# KiCad board Rogelio Pineda part 5.x1-AMLDC-2044B.kicad_pcb (continued)
## Routing (per net, layer and track width the routed paths; a pad name or vN(x,y) marks a point on that pad's centre or on a via; arc(x,y) is an arc through that point) (continued)
~{INTP OUT}: length 73
  Top w0.15: J1.95 79.98,242.47 80.42,242.54 82.39,242.65 ; 85.07,242.73 v1(84.97,242.83) 84.27,242.79 83.71,242.72 82.3,242.65
  Top w0.25: R55.1 105.58,269 108.53,263.25 108.86,246.13 109.13,245.85 ; 109.13,245.85 v2(109.13,245.8) 109.18,245.8 109.13,245.85 ; 115.23,268.24 v3(115.15,268.24) 115.15,268.32 115.02,268.45 UJ0.3
  Bottom w0.15: v2(109.13,245.8) 108.91,246.03 108.22,245.84 107.14,245.75 106.24,245.68 104.8,245.67 95.54,245.05 93.77,244.64 90.65,244.14 88.44,243.49 86.02,242.92 84.97,242.89 v1(84.97,242.83) ; R55.1 105.57,270.68 106.7,269.16 107.93,268.64 111.18,268.14 111.94,268.13 113.3,268.1 v3(115.15,268.24)
~{INTR}: length 152
  Top w0.15: v1(98.99,264.34) 99.74,263.18 100.7,261.85 101.43,259.93 101.72,258.01 101.74,255.52 101.88,253.62 101.74,251.09 101.65,249.53 101.45,245.46 101.35,244.27 101.23,242.82 100.9,240.45 100.5,236.88 100.29,236 100.17,234.8 99.64,231.14 99.15,228.12 98.92,226.96 98.58,225.02 98.29,224.18 98.07,222.22 97.88,221.24 97.43,218.63 97.34,217.66 97.64,214.85 98,211.69 98.31,207.89 98.84,203.24 99.02,198.51 97.9,195.21 97.39,193.8 96.76,192.36 96.21,191.09 95.64,189.95 95.21,188.66 94.64,187.35 94.04,185.37 93.99,184.6 93.98,184.15 94.02,182.6 94.31,181.68 94.79,178.85 95,178.02 95.12,176.31 ; J2.29 76.97,157.92 91.67,157.95 93.32,158.28 93.83,158.74 94.09,159.27 94.24,160.62 94.01,162.1 93.95,164.59 93.81,165.46 94.15,169.2 94.79,171.92 ; 94.74,171.78 95.25,174.41 95.11,176.51
  Bottom w0.15: 122.64,270.61 122.64,269.13 122.62,268.81 121.19,267.8 119.61,267.14 116.42,266.33 115.23,266.23 111.14,265.79 106.63,265.38 103.27,264.92 101.33,264.71 100.38,264.64 v1(98.99,264.34)
~{MSKO}: length 119.6
  Top w0.15: 93.92,325.27 93.92,328.71 94.15,330.28 94.76,332.34 95.34,333.77 95.6,335.06 95.81,335.57 96.07,336.67 96.2,337.13 96.64,339.22 96.71,339.55 96.81,343.14 96.58,345.37 96.29,346.15 95.78,347.5 94.97,349.3 93.94,350.91 92.81,352.09 ; v1(82.11,335.06) 82.37,337.36 82.52,338.01 82.93,340.38 83.41,341.72 84.25,344.3 85.41,346.72 86.96,350.78 87.87,351.98 ; 87.8,351.88 89.17,353.27 89.62,353.39 90.29,353.45 91.65,353.12 92.85,352.06 ; v1(96,288.04) 96.23,288.04 96.59,288.85 97.4,290.51 97.59,291.64 97.59,293.18 97.47,294.91 97.02,296.88 96.81,298 94.75,300.66 94.66,300.76 94.66,303.55 94.61,303.59 94.61,305.22 94.66,305.27 94.66,307.31 94.41,308.64 94.19,310.51 93.81,312.08 93.68,312.76 93.73,312.8 93.73,314.76 93.77,314.97 93.88,321.42 93.79,322.82 93.92,325.59
  Bottom w0.15: v1(82.11,335.06) 81.71,334.66 ; UH0.3 115.07,288.35 114.39,287.67 113.12,287.28 108.17,287.16 101.18,286.9 100.67,286.78 99.28,286.9 97.5,287.03 96.61,287.54 v1(96,288.04)
  Bottom w0.25: v1(82.11,335.06) 81.27,334.22 J1.38
~{RQENB}: length 232.5
  Top w0.15: 101.35,284.86 101.48,288.22 102.01,289.94 102.13,292.12 102.14,293.69 101.89,295.29 101.58,296.24 101.56,299.76 101.49,300.48 101.48,302.04 100.33,306.13 99.77,307.2 97.57,310.2 96.93,311.79 96.57,313.07 96.5,313.7 96.48,315.13 96.52,316.3 96.94,322.16 v1(97.08,322.85) ; 101.36,284.96 101.56,271.51 101.58,271.3 101.84,269.41 102.61,267.5 104.55,264.01 105.67,261.67 105.56,248 105.55,247.92 105.43,244.6 105.37,243.82 105.11,241.12 104.98,240.09 104.48,236.15 104.14,233.42 103.84,231.44 103.62,230.26 102.94,226.22 102.64,224.05 101.75,219.96 101.36,218.45 101.35,217.64 101.39,214.96 101.71,212.95 101.76,212.38 101.82,211.56 102.25,205.65 102.48,203.93 102.74,198.46 102.54,197.06 102.21,194.96 101.71,193.56 100.57,191.22 99.94,189.91 99.35,188.88 98.81,187.57 98.17,186.38 97.74,185.23 97.89,182.56 98.29,181.5 98.87,177.79 99.17,176.67 99.15,175.16 98.89,172.39 98.72,170.93 98.12,168.09 97.78,167.1 97.97,163.29 98.27,159.7 98.43,158.97 98.64,150.01 98.64,149.26 98.74,144.81 98.76,144.85 98.77,142.9 97.78,141.45 96.7,140.68 94.12,139.95 92.49,139.91 90.77,139.71 89.5,139.69 89.12,139.63 86.04,139.6 80.75,138.92 77.49,139.39 J2.41
  Bottom w0.15: v1(97.08,322.85) 97.88,322.64 100.83,322.41 103.21,322.19 104.9,322.05 109.07,322.12 111.93,322.25 117.84,322.22 117.85,322.21 118.53,322.24 119.73,322.53 119.99,322.62 120.19,322.71 120.2,323.2 UF0.5
~{SELB}: length 66.5
  Top w0.15: v1(89.94,274.47) 89.3,274.84 88.9,275.32 88.43,275.85 87.54,277.32 87.65,278.98 87.8,279.49 88.01,280.08 88.36,280.58 88.51,280.84 89.12,281.34 89.4,281.51 92.67,283.24 94.48,284.08 v1(95.94,284.8)
  Bottom w0.15: UJ0.8 125.12,279.8 125.12,279.86 124.09,280.74 121.95,280.9 119.73,280.91 116.77,281.88 115.46,282.02 114.71,282.03 113.18,282 111.17,281.96 110.17,281.98 108.81,282.04 103.47,282.01 101.43,282.47 99.42,283.19 96.98,284.42 v1(95.94,284.8) ; J1.82 79.44,264.37 82.35,266.61 83.28,267.61 84.3,269.1 84.75,269.71 85.73,271.31 86.47,272.28 86.78,272.77 87.86,273.85 88.73,274.34 88.84,274.38 v1(89.94,274.47)
~{SELD}: length 50
  Top w0.15: v1(96.24,282.1) 96.03,282.1 95.03,281.78 94.4,281.55 93.49,281.32 93.18,281.15 91.86,280.56 91.25,280.01 90.58,279.34 89.69,278.3 v1(89.69,278.22)
  Bottom w0.15: v1(89.69,278.22) 89.46,277.7 89.04,276.98 88.83,276.58 88.03,275.25 87.78,274.93 86.93,274.28 85.61,272.99 83.82,271.51 83.58,271.31 83.03,270.87 81.85,269.68 81.24,269.29 80.46,268.21 J1.80 ; 117.56,278.23 117.72,279.62 117.28,280.34 116.86,280.66 116.61,280.84 116.44,280.92 101.74,280.98 100.1,281.34 98.76,281.51 97.53,281.78 v1(96.24,282.1)
unconnected-(C14-Pad1): length 38.9
  Top w0.15: v1(222.54,354.91) 221.5,355.26 220.85,356.47 220.94,358.65 220.88,358.49 220.88,364.77 221.04,367.22 221.56,375.86 222.06,377.23 222.5,379.25 222.74,379.96 222.96,382.45 222.81,383.38 222.53,384.72 222.17,386.19 222.06,388.76 222.59,390.45 222.59,390.91 C14.1
unconnected-(R2-Pad2): length 19.5
  Top w0.15: v1(253.86,371.89) 253.09,372.53 252.69,373.77 252.55,375.89 252.52,376.59 252.78,379.95 252.75,381.54 252.85,382.56 252.98,384.78 253.04,386.08 253.23,386.95 253.46,388.21 253.58,388.7 253.58,390.35 R2.2
unconnected-(R3-Pad2): length 75.7
  Top w0.15: 176.97,361.41 176.96,361.4 ; 176.97,361.41 177.03,361.47 ; 176.97,361.41 177.03,361.47 ; R3.2 176.3,328.41 176.4,330.31 176.46,332.26 175.99,334.53 176.17,337.19 176.24,339.44 176.53,342.51 176.73,344.48 177.12,347.65 177.08,348.39 177.08,350.5 177.02,351.36 176.9,354.33 176.85,355.73 177.03,361.47 ; 178.15,383.06 178.15,391.74 178.13,391.76 178.13,398.38 v1(178.02,398.49) ; 177.03,361.47 177.03,364.46 177.06,364.5 177.06,367.46 176.79,368.41 176.44,369.18 175.99,369.99 175.39,371.21 175.07,372.79 175.29,373.49 175.58,374.49 176.32,376.07 177.23,378.01 177.94,380.15 178.23,381.96 178.15,383.15
unconnected-(R30-Pad1): length 25.9
  Top w0.15: v1(215.08,369.51) 215.72,370.36 216.29,371.53 216.74,372.76 216.89,373.16 217.09,374.27 217.04,375.64 216.81,376.09 216.25,376.99 215.95,377.53 215.41,378.14 215.19,378.44 214.92,378.63 214.58,379.15 214.4,379.44 214.14,379.79 213.9,379.99 213.9,383.29 214.17,383.98 214.53,384.62 215.04,385.15 215.48,385.53 216.31,385.96 v1(217.59,386.35) 217.61,387.16 217.53,388.8 217.54,390.31 R30.1
unconnected-(R58-Pad2): length 2
  Top w0.15: v1(183.32,395.82) 183.38,395.76 R58.2
unconnected-(R85-Pad1): length 47.1
  Top w0.15: 173.2,121.59 v1(173.1,121.65) 173.45,122.31 173.28,123.26 173.45,124 173.59,124.52 173.85,125.4 174,126.72 ; 172.76,165.49 172.76,167.52 R85.1 ; 172.76,165.49 172.76,165.57 ; 172.76,165.49 172.87,161.09 173.56,156.74 173.86,155.13 174,153.99 174,126.72 ; 174,126.72 174,126.54
unconnected-(R89-Pad2): length 6.4
  Top w0.15: v1(251.51,361) 251.39,360.34 251.24,359.66 250.47,356.06 R89.2
unconnected-(US2-CK-Pad8): length 6.3
  Top w0.15: US2.8 204.8,138.03 205.56,138.96 205.96,139.87 206.11,140 v1(206.49,141.14)

## Text on the board
User.Comments: Rework Wire / Here | B C D E | T  U  V W | F G H J  K | P R S | L M N | F G H J K | L  M N | 0   1   2   3   4   5   6   7   8
